# Altium PCB LVDS.PcbDoc (continued)
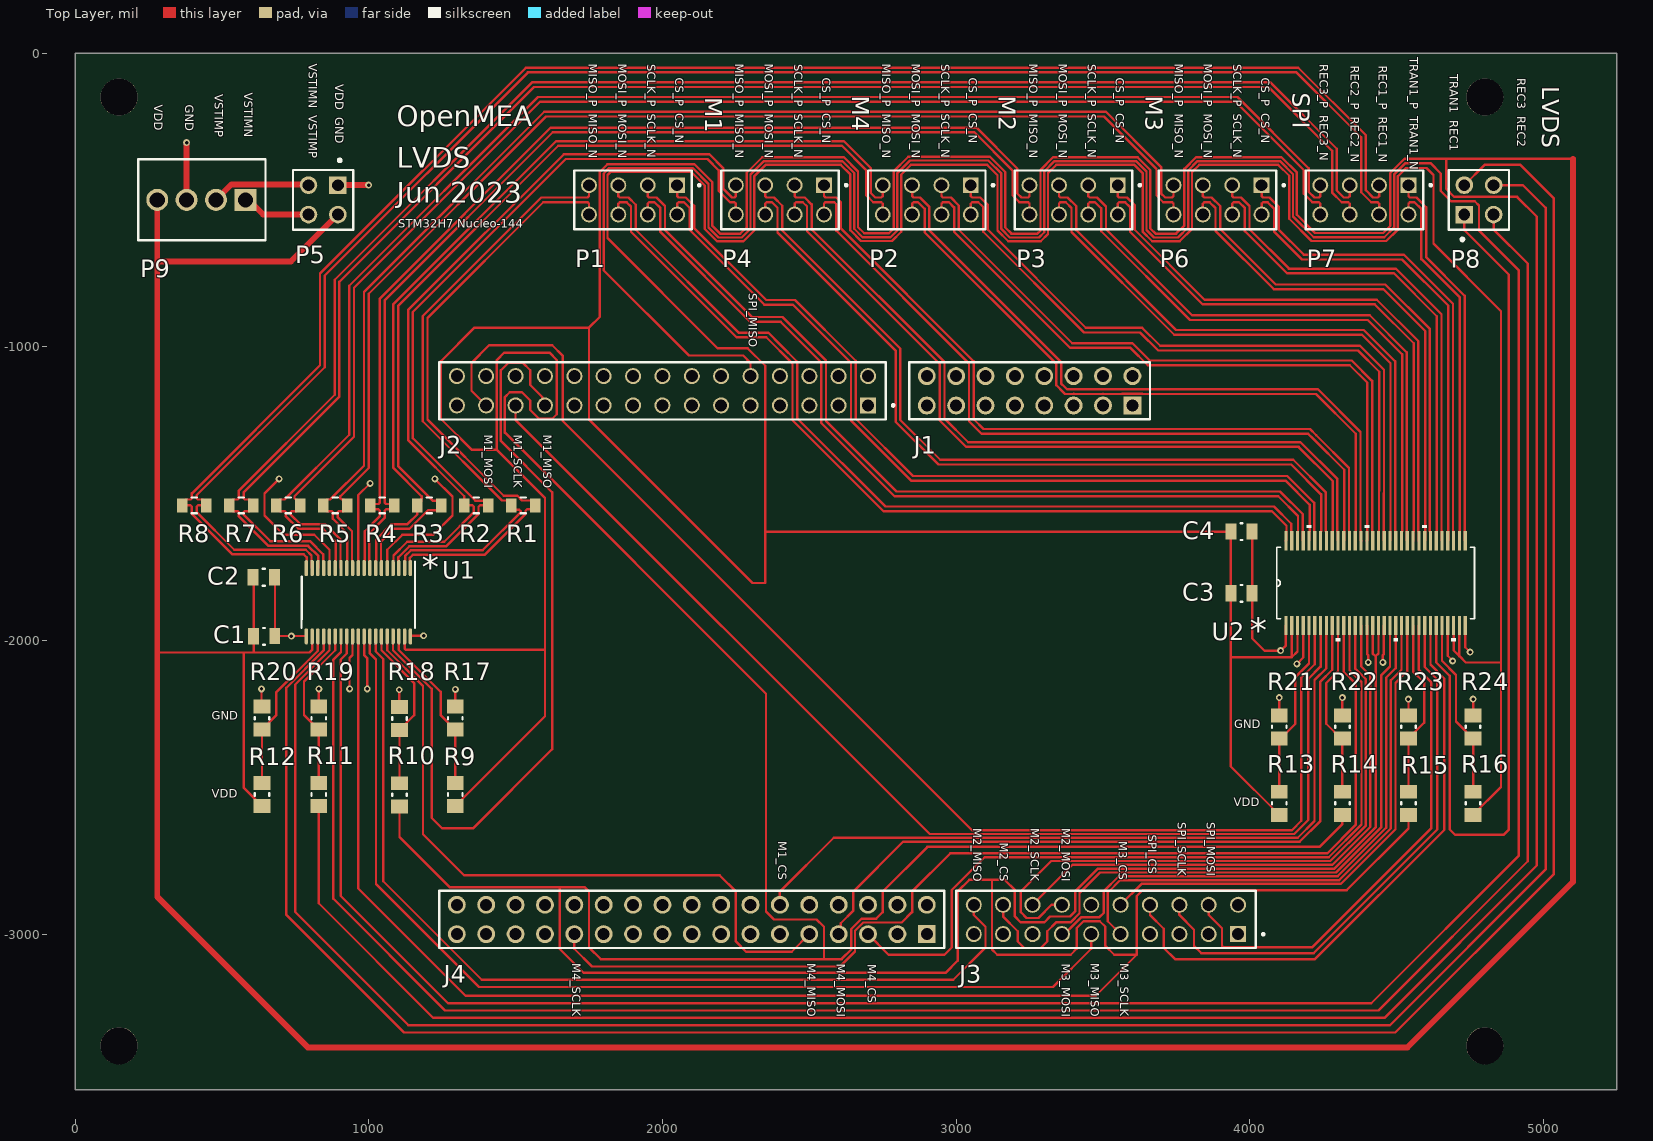
[diagram p0: Top Layer view]
## Nets (pads, with @x,y where several pads share a name; then routed paths per layer and width w, separated by ;. In a path a pad name is that pad's centre, name@x,y a point inside that pad or via, vN(x,y) a via of type N, cw(c..) or ccw(c..) an arc to the next point about the centre after c; other vN are vias at no path point)
GND: C1.2 C2.2 C3.2 C4.2 P5.1 P9.3 R17.1 R18.1 R19.1 R20.1 R21.1 R22.1 R23.1 R24.1 U1.5 U1.10 U1.15 U1.20 U1.28 U1.30 U1.38 U2.1 U2.4 U2.15 U2.18 U2.29 U2.32 | length 3943.7
  Top Layer w8: R20.1@634.67,-2225 635,-2224.67 v1(635,-2165) ; C1.2 C1.2@681.08,-1985 ; C2.2@681.08,-1785 C1.2@681.08,-1985 ; v1(695,-1450) 645,-1500 645,-1575 710,-1640 814.67,-1640 866.24,-1691.57 U1.15 ; U1.20 786.36,-1985 v1(736.67,-1985) C1.2@681.08,-1985 ; v1(830,-2165) 830,-2224.96 R19.1@830.04,-2225 ; v1(935,-2165) 934.67,-2164.67 934.67,-2060 944.98,-2049.68 U1.28 ; U1.10 964.67,-1505.33 v1(1005,-1465) ; U1.30 984.35,-2049.69 994.67,-2060 994.67,-2164.67 v1(995,-2165) ; U1.5 1063.09,-1691.57 1114.67,-1640 1220,-1640 1285,-1575 1285,-1510 v1(1225,-1450) ; v1(1104,-2168) 1104,-2225.59 R18.1 ; U1.38 1141.83,-1985.76 1143.59,-1984 v1(1186.67,-1984) ; R17.1 1295,-2224.67 v1(1295,-2167) ; C4.2 C3.2 4007.91,-1993.26 4049.65,-2035 v1(4105,-2035) 4122.79,-2017.21 U2.1 ; v1(4100,-2195) R21.1 R21.1 ; v1(4160.04,-2080) 4181.85,-2058.19 U2.4@4181.85,-1949.57 ; v1(4315,-2195) R22.1 R22.1 ; U2.15 4399.89,-1950.57 4399.89,-2047.19 4403.04,-2050.34 v1(4403.04,-2075) ; v1(4453.04,-2075) 4453.04,-2050.39 4456.24,-2047.19 4456.24,-1950.27 U2.18 ; v1(4540,-2200) R23.1 R23.1 ; U2.29@4673.98,-1949.57 4673.98,-2052.39 4690.04,-2068.45 v1(4690.04,-2070) ; U2.32@4733.03,-1949.57 4733.03,-2023.03 v1(4750,-2040) ; v1(4760,-2200) R24.1 R24.1
  Top Layer w20: P9.3 v1(380,-305) ; P5.1 v1(1000,-450)
M1_CS: J4.12 U2.8 | length 2647.2
  Top Layer w8: J4.12 2400,-2855.04 2583.04,-2672 4163.04,-2672 4220.04,-2615 4220.04,-2135 4260.59,-2094.45 U2.8
M1_CS_N: P1.1 U2.59 | length 2927.7
  Top Layer w8: P1.1 2050,-487.31 2054.69,-492 2079.63,-492 2108,-520.37 2108,-595.37 2353.63,-841 2451,-841 2658,-1048 2658,-1245 2853,-1440 4127.63,-1440 4219.38,-1531.75 4219.38,-1627.72 4219.72,-1628.07 4219.72,-1658.57 U2.59
M1_CS_P: P1.2 U2.60 | length 2901.2
  Top Layer w8: P1.2 2050,-512.69 2054.69,-508 2073,-508 2092,-527 2092,-602 2347,-857 2444.37,-857 2642,-1054.63 2642,-1251.63 2846.37,-1456 4121,-1456 4203.38,-1538.38 4203.38,-1627.72 4203.03,-1628.07 4203.03,-1658.57 U2.60
M1_MISO: J2.23 U1.35 | length 2833.9
  Top Layer w8: U1.35 1082.78,-2033.11 1214.67,-2165 1214.67,-2604.63 1250.04,-2640 1355.04,-2640 1625.04,-2370 1625.04,-1496 1450.04,-1321 1450.04,-1080 1475.04,-1055 1525.04,-1055 1550.04,-1080 1550.04,-1130 1591.06,-1171.02 1591.06,-1191.06 J2.23
M1_MISO_N: P1.7 R1.1 U1.2 | length 2094.4
  Top Layer w8: U1.2 1122.88,-1753.13 1122.88,-1728.78 1123.99,-1727.67 1123.99,-1712.31 1143.52,-1692.78 1387.85,-1692.78 1518.01,-1562.63 1518.01,-1560.98 1512,-1554.98 1498.38,-1554.98 1484.67,-1541.26 R1.1 1484.67,-1537.09 1470.95,-1523.38 1453.42,-1523.38 1184.04,-1254 1184.04,-895.46 1587.5,-492 1745.31,-492 1750,-487.31 P1.7
M1_MISO_P: P1.8 R1.2 U1.1 | length 2131.5
  Top Layer w8: U1.1 1141.1,-1753.13 1141.1,-1728.78 1139.99,-1727.67 1139.99,-1718.94 1150.15,-1708.78 1394.48,-1708.78 1534.01,-1569.25 1534.01,-1558.34 1538.69,-1553.66 1553.69,-1553.66 R1.2 1567.34,-1538.7 1553.63,-1524.99 1553.63,-1523.38 1522.11,-1523.38 1506.11,-1507.38 1460.05,-1507.38 1200.04,-1247.37 1200.04,-902.09 1594.13,-508 1745.31,-508 1750,-512.69 P1.8
M1_MOSI: J2.27 U2.6 | length 4526.8
  Top Layer w8: J2.27 1350.04,-1150.04 1350.04,-1055 1410.04,-995 1625.04,-995 1660.04,-1030 1660.04,-1252.04 3054,-2646 4143.04,-2646 4175.04,-2614 4175.04,-2127.12 4221.22,-2080.94 U2.6
M1_MOSI_N: P1.5 U2.63 | length 3011.1
  Top Layer w8: P1.5 1850,-487.31 1854.69,-492 1884.63,-492 1909,-516.37 1909,-602 2259,-952 2360,-952 2402.37,-994.37 2459,-1051 2459,-1244 2759.2,-1544.2 4081.83,-1544.2 4140.64,-1603.01 4140.64,-1627.72 4140.98,-1628.07 4140.98,-1658.57 U2.63
M1_MOSI_P: P1.6 U2.64 | length 2984.6
  Top Layer w8: P1.6 1850,-512.69 1854.69,-508 1878,-508 1893,-523 1893,-608.63 2252.37,-968 2353.37,-968 2443,-1057.63 2443,-1250.63 2743.2,-1550.83 2752.58,-1560.2 3059,-1560.2 4075.2,-1560.2 4124.64,-1609.64 4124.64,-1627.72 4124.29,-1628.07 4124.29,-1658.57 U2.64
M1_SCLK: J2.25 U2.7 | length 4031.2
  Top Layer w8: J2.25 1500,-1249 2910,-2659 4151.04,-2659 4199.04,-2611 4199.04,-2131 4240.9,-2089.14 U2.7
M1_SCLK_N: P1.3 U2.61 | length 2975.1
  Top Layer w8: P1.3 1950,-487.31 1954.69,-492 1979.63,-492 2009,-521.37 2009,-603 2305,-899 2409,-899 2557,-1047 2557,-1253 2797.03,-1493.03 4103.03,-1493.03 4180.01,-1570.01 4180.01,-1627.72 4180.35,-1628.07 4180.35,-1658.57 U2.61
M1_SCLK_P: P1.4 U2.62 | length 2948.6
  Top Layer w8: P1.4 1950,-512.69 1954.69,-508 1973,-508 1993,-528 1993,-609.63 2298.37,-915 2402.37,-915 2541,-1053.63 2541,-1259.63 2790.4,-1509.03 4096.4,-1509.03 4164.01,-1576.63 4164.01,-1627.72 4163.66,-1628.07 4163.66,-1658.57 U2.62
M2_CS: J3.18 U2.19 | length 2322.1
  Top Layer w8: J3.18 3160,-2939.96 3210.04,-2990 3210.04,-3025 3232.04,-3047 3288.04,-3047 3310.04,-3025 3310.04,-2990 3340.04,-2960 3389.04,-2960 3420.04,-2929 3420.04,-2860 3490.04,-2790 4293.42,-2790 4447.91,-2635.51 4447.91,-2118.13 4477.13,-2088.91 U2.19@4477.13,-1949.57
M2_CS_N: P2.1 U2.47 | length 2320.8
  Top Layer w8: P2.1 3050,-487.31 3054.69,-492 3082,-492 3108,-518 3108,-602 3441.44,-935.44 3633.06,-935.44 3694.63,-997 4375,-997 4456.73,-1078.73 4456.73,-1497.75 4455.6,-1498.88 4455.6,-1627.72 4455.94,-1628.07 4455.94,-1658.57 U2.47
M2_CS_P: P2.2 U2.48 | length 2294.3
  Top Layer w8: P2.2 3050,-512.69 3054.69,-508 3075.37,-508 3092,-524.63 3092,-608.63 3434.81,-951.44 3626.44,-951.44 3688,-1013 4368.37,-1013 4440.73,-1085.35 4440.73,-1491.13 4439.6,-1492.25 4439.6,-1627.72 4439.26,-1628.07 4439.26,-1658.57 U2.48
M2_MISO: J3.20 U1.32 | length 3240.7
  Top Layer w8: U1.32 1023.72,-2037.44 1049.67,-2063.38 1049.67,-2819.63 1385.04,-3155 2990.04,-3155 3100.04,-3045 3100.04,-2975 3060,-2934.96 J3.20
M2_MISO_N: P2.7 R3.1 U1.7 | length 3100.1
  Top Layer w8: U1.7 1024.45,-1753.13 1024.45,-1728.78 1025.57,-1727.67 1025.57,-1656.47 1078.04,-1604 1132.11,-1604 1165.17,-1570.94 1165.17,-1540.5 R3.1 1178.38,-1526.28 1178.38,-1517.45 1180.14,-1515.69 1180.14,-1509.06 1084.04,-1412.96 1084.04,-854.75 1638.79,-300 2617.63,-300 2709,-391.37 2709,-476.37 2724.63,-492 2745.31,-492 2750,-487.31 P2.7
M2_MISO_P: P2.8 R3.2 U1.6 | length 3142.8
  Top Layer w8: U1.6 1042.68,-1753.13 1042.68,-1728.78 1041.57,-1727.67 1041.57,-1663.1 1084.67,-1620 1138.73,-1620 1202.11,-1556.62 1233.63,-1556.62 1233.63,-1555.01 1247.34,-1541.3 R3.2 1247.34,-1538.7 1233.63,-1524.99 1218.69,-1524.99 1100.04,-1406.34 1100.04,-861.38 1645.42,-316 2611,-316 2693,-398 2693,-483 2718,-508 2745.31,-508 2750,-512.69 P2.8
M2_MOSI: J3.14 U2.13 | length 2200.4
  Top Layer w8: J3.14 3325.04,-2900 3280.04,-2945 3240.04,-2945 3220.04,-2925 3220.04,-2855 3324.04,-2751 4274.04,-2751 4395.04,-2630 4395.04,-2132 4359.02,-2095.97 U2.13@4359.02,-1949.57
M2_MOSI_N: P2.5 U2.51 | length 2357.4
  Top Layer w8: P2.5 2850,-487.31 2854.69,-492 2877,-492 2909,-524 2909,-604 3357.31,-1052.31 3357.31,-1124.8 3370.49,-1137.97 3377.52,-1145 3392.48,-1145 cw(c3400,-1200) 3407.52,-1145 3492.48,-1145 cw(c3500,-1200) 3507.52,-1145 3558.62,-1145 3559.13,-1144.49 3640.87,-1144.49 3641.38,-1145 4232,-1145 4376.86,-1289.86 4376.86,-1627.72 4377.2,-1628.07 4377.2,-1658.57 U2.51
M2_MOSI_P: P2.6 U2.52 | length 2330.9
  Top Layer w8: P2.6 2850,-512.69 2854.69,-508 2870.37,-508 2893,-530.63 2893,-610.63 3341.31,-1058.94 3341.31,-1131.42 3363.86,-1153.97 3370.89,-1161 3393.66,-1161 cw(c3400,-1200) 3406.34,-1161 3493.66,-1161 cw(c3500,-1200) 3506.34,-1161 3565.25,-1161 3565.76,-1160.49 3634.24,-1160.49 3634.75,-1161 4225.37,-1161 4360.86,-1296.49 4360.86,-1627.72 4360.52,-1628.07 4360.52,-1658.57 U2.52
M2_SCLK: J3.16 U2.14 | length 1958.7
  Top Layer w8: J3.16 3396,-2764 4281.04,-2764 4410.04,-2635 4410.04,-2119.37 4378.7,-2088.03 U2.14
M2_SCLK_N: P2.3 U2.49 | length 2357.3
  Top Layer w8: P2.3 2950,-487.31 2954.69,-492 2982,-492 3009,-519 3009,-602 3395,-988 3600,-988 3659,-1047 4347,-1047 4416.23,-1116.23 4416.23,-1627.72 4416.57,-1628.07 4416.57,-1658.57 U2.49
M2_SCLK_P: P2.4 U2.50 | length 2330.8
  Top Layer w8: P2.4 2950,-512.69 2954.69,-508 2975.37,-508 2993,-525.63 2993,-608.63 3388.37,-1004 3593.37,-1004 3652.37,-1063 4340.37,-1063 4400.23,-1122.86 4400.23,-1627.72 4399.89,-1628.07 4399.89,-1658.57 U2.50
M3_CS: J3.10 U2.22 | length 1752.3
  Top Layer w8: J3.10 3631,-2829 4309.58,-2829 4495.91,-2642.67 4495.91,-2145.13 4536.18,-2104.86 U2.22@4536.18,-1949.57
M3_CS_N: P3.1 U2.41 | length 1994.1
  Top Layer w8: P3.1 3550,-487.31 3554.69,-492 3582,-492 3608,-518 3608,-602 3846,-840 4432,-840 4573.71,-981.71 4573.71,-1627.72 4574.05,-1628.07 4574.05,-1658.57 U2.41
M3_CS_P: P3.2 U2.42 | length 1967.6
  Top Layer w8: P3.2 3550,-512.69 3554.69,-508 3575.37,-508 3592,-524.63 3592,-608.63 3839.37,-856 4425.37,-856 4557.71,-988.34 4557.71,-1627.72 4557.37,-1628.07 4557.37,-1658.57 U2.42
M3_MISO: J3.11 U1.31 | length 3536.4
  Top Layer w8: U1.31 1004.04,-2044.37 1024.67,-2065 1024.67,-2829.63 1375.04,-3180 3330.04,-3180 3460,-3050.04 J3.11
M3_MISO_N: P3.7 R4.1 U1.9 | length 3631.4
  Top Layer w8: U1.9 985.08,-1753.13 985.08,-1728.78 986.19,-1727.67 986.19,-1628.47 1038.01,-1576.66 1038.01,-1558.4 1033.32,-1553.72 1018.38,-1553.72 R4.1 1009.35,-1535.31 1033.32,-1535.31 1038.01,-1530.63 1038.01,-835.69 1619.73,-253.97 3068.97,-253.97 3208,-393 3208,-478 3222,-492 3245.31,-492 3250,-487.31 P3.7
M3_MISO_P: P3.8 R4.2 U1.8 | length 3604.9
  Top Layer w8: U1.8 1003.31,-1753.13 1003.31,-1728.78 1002.19,-1727.67 1002.19,-1635.1 1054.01,-1583.29 1054.01,-1558.4 1058.69,-1553.72 1073.63,-1553.72 R4.2 1082.66,-1535.31 1058.69,-1535.31 1054.01,-1530.63 1054.01,-842.31 1626.35,-269.97 3062.34,-269.97 3192,-399.63 3192,-484.63 3215.37,-508 3245.31,-508 3250,-512.69 P3.8
M3_MOSI: J3.13 U2.20 | length 1997.7
  Top Layer w8: J3.13 3369.04,-3000 3427.04,-2942 3488.04,-2942 3503.04,-2927 3503.04,-2853.62 3553.65,-2803 4298.81,-2803 4463.91,-2637.9 4463.91,-2127.13 4496.81,-2094.23 U2.20@4496.81,-1950.67
M3_MOSI_N: P3.5 U2.45 | length 2074
  Top Layer w8: P3.5 3350,-487.31 3354.69,-492 3379.63,-492 3409,-521.37 3409,-603 3749,-943 4388,-943 4494.97,-1049.97 4494.97,-1627.72 4495.31,-1628.07 4495.31,-1658.57 U2.45
M3_MOSI_P: P3.6 U2.46 | length 2047.5
  Top Layer w8: P3.6 3350,-512.69 3354.69,-508 3373,-508 3393,-528 3393,-609.63 3742.37,-959 4381.37,-959 4478.97,-1056.6 4478.97,-1627.72 4478.63,-1628.07 4478.63,-1658.57 U2.46
M3_SCLK: J3.9 U2.21 | length 1920
  Top Layer w8: J3.9 3516.04,-2956.04 3516.04,-2859 3559.04,-2816 4304.19,-2816 4479.91,-2640.28 4479.91,-2136.13 4516.5,-2099.54 U2.21
M3_SCLK_N: P3.3 U2.43 | length 2029
  Top Layer w8: P3.3 3450,-487.31 3454.69,-492 3479.63,-492 3510,-522.37 3510,-600 3803,-893 4408,-893 4534.34,-1019.34 4534.34,-1627.72 4534.68,-1628.07 4534.68,-1658.57 U2.43
M3_SCLK_P: P3.4 U2.44 | length 2002.5
  Top Layer w8: P3.4 3450,-512.69 3454.69,-508 3473,-508 3494,-529 3494,-606.63 3796.37,-909 4401.37,-909 4518.34,-1025.97 4518.34,-1627.72 4518,-1628.07 4518,-1658.57 U2.44
M4_CS: J4.5 U2.12 | length 2700.8
  Top Layer w8: J4.5 2770,-3070 2960.04,-3070 2985.04,-3045 2985.04,-2850 3097.04,-2738 4268.65,-2738 4380.04,-2626.62 4380.04,-2142 4339.33,-2101.29 U2.12@4339.33,-1949.57
M4_CS_N: P4.1 U2.53 | length 2624.5
  Top Layer w8: P4.1 2550,-487.31 2554.69,-492 2592,-492 2608,-508 2608,-598 3060,-1050 3060,-1247 3093,-1280 4205,-1280 4226.26,-1301.26 4337.49,-1412.49 4337.49,-1627.72 4337.83,-1628.07 4337.83,-1658.57 U2.53
M4_CS_P: P4.2 U2.54 | length 2598
  Top Layer w8: P4.2 2550,-512.69 2554.69,-508 2585.37,-508 2592,-514.63 2592,-604.63 3044,-1056.63 3044,-1253.63 3086.37,-1296 4198.37,-1296 4214.95,-1312.58 4321.49,-1419.11 4321.49,-1627.72 4321.15,-1628.07 4321.15,-1658.57 U2.54
M4_MISO: J4.9 U1.34 | length 2329.5
  Top Layer w8: U1.34 1063.09,-2033.43 1184.67,-2155 1184.67,-2659.63 1325.04,-2800 2195.04,-2800 2250.04,-2855 2250.04,-3025 2285.04,-3060 2440,-3060 J4.9
M4_MISO_N: P4.7 R2.1 U1.4 | length 2652.7
  Top Layer w8: U1.4 1083.51,-1753.13 1083.51,-1728.78 1084.62,-1727.67 1084.62,-1710.67 1131.51,-1663.78 1256.85,-1663.78 1358.01,-1562.63 1358.01,-1544.69 1353.32,-1540 R2.1 1325.17,-1539.5 1325.17,-1509.06 1134.04,-1317.93 1134.04,-875.46 1664.5,-345 2160,-345 2208,-393 2208,-463.11 2236.89,-492 2245.31,-492 2250,-487.31 P4.7
M4_MISO_P: P4.8 R2.2 U1.3 | length 2671.5
  Top Layer w8: U1.3 1101.73,-1753.13 1101.73,-1728.78 1100.62,-1727.67 1100.62,-1717.3 1138.14,-1679.78 1263.48,-1679.78 1374.01,-1569.25 1374.01,-1544.69 1378.69,-1540 R2.2 1407.34,-1538.7 1393.63,-1524.99 1393.63,-1524 1362.73,-1524 1150.04,-1311.31 1150.04,-882.09 1671.13,-361 2153.37,-361 2192,-399.63 2192,-469.74 2230.26,-508 2245.31,-508 2250,-512.69 P4.8
M4_MOSI: J4.7 U2.9 | length 2537.7
  Top Layer w8: J4.7 2607.08,-2992.92 2607.08,-2962.96 2650.04,-2920 2650.04,-2855 2820.04,-2685 4170.04,-2685 4240.04,-2615 4240.04,-2140 4280.27,-2099.77 U2.9
M4_MOSI_N: P4.5 U2.57 | length 2720
  Top Layer w8: P4.5 2350,-487.31 2354.69,-492 2379.63,-492 2408,-520.37 2408,-604 2810,-1006 2810,-1249 2946.1,-1385.1 4147.73,-1385.1 4258.75,-1496.12 4258.75,-1627.72 4259.09,-1628.07 4259.09,-1658.57 U2.57
M4_MOSI_P: P4.6 U2.58 | length 2693.5
  Top Layer w8: P4.6 2350,-512.69 2354.69,-508 2373,-508 2392,-527 2392,-610.63 2794,-1012.63 2794,-1255.63 2939.48,-1401.1 4141.1,-1401.1 4242.75,-1502.75 4242.75,-1627.72 4242.4,-1628.07 4242.4,-1658.57 U2.58
M4_SCLK: J4.25 U2.11 | length 3712.4
  Top Layer w8: J4.25 1700,-3049.96 1760.04,-3110 2605.04,-3110 2655.89,-3059.15 2655.89,-2988.23 2683.63,-2960.49 2814.55,-2960.49 2850.04,-2925 2850.04,-2855 2980.04,-2725 4263.27,-2725 4360.04,-2628.23 4360.04,-2147 4319.65,-2106.61 U2.11@4319.65,-1949.57
M4_SCLK_N: P4.3 U2.55 | length 2656.8
  Top Layer w8: P4.3 2450,-487.31 2454.69,-492 2484.63,-492 2508,-515.37 2508,-600 2960.49,-1052.49 2960.49,-1244.49 3041,-1325 4172.63,-1325 4298.12,-1450.49 4298.12,-1627.72 4298.46,-1628.07 4298.46,-1658.57 U2.55
M4_SCLK_P: P4.4 U2.56 | length 2630.3
  Top Layer w8: P4.4 2450,-512.69 2454.69,-508 2478,-508 2492,-522 2492,-606.63 2944.49,-1059.12 2944.49,-1251.12 3034.37,-1341 4166,-1341 4282.12,-1457.12 4282.12,-1627.72 4281.77,-1628.07 4281.77,-1658.57 U2.56
REC_1: P8.2 U1.23 | length 8386.7
  Top Layer w8: U1.23 846.56,-2033.99 719.67,-2160.88 719.67,-2934.63 1120.04,-3335 4495,-3335 5035,-2795 5035,-495 4921,-381 4799,-381 P8.2
REC_1_N: P7.3 R8.1 U1.19 | length 5770.3
  Top Layer w8: U1.19 788.23,-1753.13 788.23,-1728.78 789.34,-1727.67 789.34,-1717.3 779.03,-1706.98 535.73,-1706.98 398.01,-1569.25 398.01,-1544.69 393.32,-1540 R8.1 364.67,-1534.09 378.38,-1520.38 393.32,-1520.38 398.01,-1515.69 398.01,-1499.41 834.04,-1063.37 834.04,-751.2 1535.24,-50 4165,-50 4395,-280 4395,-467.37 4419.63,-492 4435.31,-492 4440,-487.31 P7.3
REC_1_P: P7.4 R8.2 U1.18 | length 5743.8
  Top Layer w8: U1.18 806.46,-1753.13 806.46,-1728.78 805.34,-1727.67 805.34,-1710.67 785.65,-1690.98 542.36,-1690.98 414.01,-1562.63 414.01,-1544.69 418.69,-1540 R8.2 447.34,-1534.09 433.63,-1520.38 418.69,-1520.38 414.01,-1515.69 414.01,-1506.03 850.04,-1070 850.04,-757.83 1541.87,-66 4158.37,-66 4379,-286.63 4379,-474 4413,-508 4435.31,-508 4440,-512.69 P7.4
REC_2: P8.4 U1.24 | length 8085.2
  Top Layer w8: U1.24 866.24,-2033.43 749.67,-2150 749.67,-2924.63 1135.04,-3310 4477,-3310 5007,-2780 5007,-527 4930,-450 P8.4
REC_2_N: P7.5 R7.1 U1.17 | length 5373.6
  Top Layer w8: U1.17 827.6,-1753.13 827.6,-1728.78 828.71,-1727.67 828.71,-1712.97 793.73,-1677.98 658.42,-1677.98 558.01,-1577.56 558.01,-1564.31 553.32,-1559.62 538.38,-1559.62 524.67,-1545.91 R7.1 524.67,-1534.09 538.38,-1520.38 553.32,-1520.38 558.01,-1515.69 558.01,-1489.41 884.04,-1163.37 884.04,-771.91 1555.95,-100 4070,-100 4296,-326 4296,-468.37 4319.63,-492 4335.31,-492 4340,-487.31 P7.5
REC_2_P: P7.6 R7.2 U1.16 | length 5347.1
  Top Layer w8: U1.16 845.83,-1753.13 845.83,-1728.78 844.71,-1727.67 844.71,-1706.34 800.36,-1661.98 665.05,-1661.98 574.01,-1570.94 574.01,-1564.31 578.69,-1559.62 593.63,-1559.62 607.34,-1545.91 R7.2 607.34,-1534.09 593.63,-1520.38 578.69,-1520.38 574.01,-1515.69 574.01,-1496.03 900.04,-1170 900.04,-778.54 1562.58,-116 4063.37,-116 4280,-332.63 4280,-475 4313,-508 4335.31,-508 4340,-512.69 P7.6
REC_3: P8.3 U1.26 | length 7588.6
  Top Layer w8: U1.26 905.61,-2039.06 879.67,-2065 879.67,-2879.63 1260.04,-3260 4438,-3260 4946,-2752 4946,-717 4830,-601 P8.3
REC_3_N: P7.7 R6.1 U1.14 | length 5016.2
  Top Layer w8: U1.14 886.66,-1753.13 886.66,-1728.78 887.77,-1727.67 887.77,-1663.1 844.67,-1620 760.44,-1620 718.01,-1577.56 718.01,-1564.31 713.32,-1559.62 698.38,-1559.62 684.67,-1545.91 R6.1 684.67,-1534.09 698.38,-1520.38 713.32,-1520.38 934.04,-1299.66 934.04,-792.62 1576.66,-150 3957.63,-150 4200,-392.37 4200,-472.37 4219.63,-492 4235.31,-492 4240,-487.31 P7.7
REC_3_P: P7.8 R6.2 U1.13 | length 4970.9
  Top Layer w8: U1.13 904.88,-1753.13 904.88,-1728.78 903.77,-1727.67 903.77,-1656.47 851.29,-1604 767.07,-1604 734.01,-1570.94 734.01,-1564.31 738.69,-1559.62 753.63,-1559.62 767.34,-1545.91 R6.2 767.34,-1534.09 753.63,-1520.38 751.95,-1520.38 747.26,-1515.69 747.26,-1509.06 950.04,-1306.28 950.04,-799.25 1583.29,-166 3951,-166 4184,-399 4184,-479 4213,-508 4235.31,-508 4240,-512.69 P7.8
SN65_ENA: R9.1 R17.2 U1.36 | length 578.5
  Top Layer w8: U1.36 1102.46,-2032.8 1244.67,-2175 1244.67,-2253.74 R17.2 R9.1
SN65_ENB: R10.1 R18.2 U1.33 | length 566.9
  Top Layer w8: U1.33 1043.41,-2033.74 1154.67,-2145 1154.67,-2255 R18.2 R10.1
SN65_ENC: R11.1 R19.2 U1.25 | length 563.6
  Top Layer w8: R11.1 R19.2 779.67,-2253.74 779.67,-2140 885.93,-2033.74 U1.25
SN65_END: R12.1 R20.2 U1.22 | length 577.7
  Top Layer w8: R12.1 R20.2 684.67,-2255.68 684.67,-2177.22 826.87,-2035.01 U1.22
SN75_ENA: R13.1 R21.2 U2.5 | length 610.9
  Top Layer w8: R13.1 R21.2 4104.96,-2333.74 4155.04,-2283.66 4155.04,-2125 4201.53,-2078.51 U2.5
SN75_ENB: R14.1 R22.2 U2.10 | length 607.6
  Top Layer w8: U2.10@4299.96,-1949.57 4299.96,-2105.08 4260.04,-2145 4260.04,-2283.66 4310.12,-2333.74 R22.2 R14.1
SN75_ENC: R15.1 R23.2 U2.23 | length 603.6
  Top Layer w8: R15.1 R23.2 4594.04,-2279.74 4594.04,-2144 4555.87,-2105.83 U2.23@4555.87,-1949.57
SN75_END: R16.1 R24.2 U2.28 | length 609.2
  Top Layer w8: U2.28@4654.29,-1949.57 4654.29,-2069.51 4702.04,-2117.25 4702.04,-2275.74 R24.2 R16.1
SPI_CS: J3.8 U2.26 | length 2034.4
  Top Layer w8: J3.8 3660,-2934.96 3706.94,-2981.9 3706.94,-3046.9 3745.04,-3085 4222,-3085 4662.04,-2644.96 4662.04,-2129.37 4614.92,-2082.25 U2.26@4614.92,-1949.57
SPI_CS_N: P6.1 U2.35 | length 1693.7
  Top Layer w8: P6.1 4040,-487.31 4044.69,-492 4067,-492 4098,-523 4098,-601 4184,-687 4525.04,-687 4691.82,-853.78 4691.82,-1627.72 4692.16,-1628.07 4692.16,-1658.57 U2.35
SPI_CS_P: P6.2 U2.36 | length 1667.2
  Top Layer w8: P6.2 4040,-512.69 4044.69,-508 4060.37,-508 4082,-529.63 4082,-607.63 4177.37,-703 4518.41,-703 4675.82,-860.41 4675.82,-1627.72 4675.48,-1628.07 4675.48,-1658.57 U2.36
SPI_MISO: J2.10 U1.27 | length 13756.9
  Top Layer w8: U1.27 925.3,-2044.37 904.67,-2065 904.67,-2869.63 1270.04,-3235 4413,-3235 4916,-2732 4916,-740 4780,-604 4780,-519 4766,-505 4685,-505 4650,-470 4650,-410 4615,-375 4529.95,-375 4491.03,-413.92 4491.03,-593.97 4457.69,-627.31 4217.31,-627.31 4147,-557 4147,-412.62 4102.38,-368 3822,-368 3790,-400 3790,-593.38 3755.38,-628 3673.38,-628 3648,-602.62 3648,-403.62 3612.38,-368 3335.38,-368 3300,-403.38 3300,-610.39 3282.39,-628 3182.62,-628 3154,-599.38 3154,-410.62 3109.38,-366 2842.38,-366 2800,-408.38 2800,-603.38 2776.38,-627 2681.62,-627 2653,-598.38 2653,-408.62 2612.38,-368 2345.38,-368 2300,-413.38 2300,-598.38 2270.38,-628 2191,-628 2157,-594 2157,-445.62 2103.38,-392 1818,-392 1800,-410 1800,-740 2090,-1030 2275,-1030 2300,-1055 J2.10
SPI_MISO_N: P6.7 R5.1 U1.12 | length 4270.9
  Top Layer w8: U1.12 926.03,-1753.13 926.03,-1728.78 927.14,-1727.67 927.14,-1635.1 878.01,-1585.97 878.01,-1564.31 873.32,-1559.62 858.38,-1559.62 844.67,-1545.91 R5.1 844.67,-1534.09 858.38,-1520.38 868.66,-1520.38 984.04,-1405 984.04,-813.33 1597.37,-200 3510,-200 3698,-388 3698,-478 3712,-492 3735.31,-492 3740,-487.31 P6.7
SPI_MISO_P: P6.8 R5.2 U1.11 | length 4233.5
  Top Layer w8: U1.11 944.25,-1753.13 944.25,-1728.78 943.14,-1727.67 943.14,-1628.47 894.01,-1579.34 894.01,-1564.31 898.69,-1559.62 913.63,-1559.62 927.34,-1545.91 927.34,-1534.09 913.63,-1520.38 908.29,-1520.38 903.6,-1515.69 903.6,-1509.06 1000.04,-1412.63 1000.04,-819.96 1604,-216 3503.37,-216 3682,-394.63 3682,-484.63 3705.37,-508 3735.31,-508 3740,-512.69 P6.8
SPI_MOSI: J3.4 U2.24 | length 1748.3
  Top Layer w8: J3.4 3860,-2934.96 3905.04,-2980 3905.04,-3040.31 3909.73,-3045 4212,-3045 4617.04,-2639.96 4617.04,-2142 4575.55,-2100.51 U2.24@4575.55,-1949.57
SPI_MOSI_N: P6.5 U2.39 | length 1764.2
  Top Layer w8: P6.5 3840,-487.31 3844.69,-492 3869.63,-492 3899,-521.37 3899,-599 4088,-788 4461.04,-788 4613.08,-940.04 4613.08,-1627.72 4613.42,-1628.07 4613.42,-1658.57 U2.39
SPI_MOSI_P: P6.6 U2.40 | length 1737.7
  Top Layer w8: P6.6 3840,-512.69 3844.69,-508 3863,-508 3883,-528 3883,-605.63 4081.37,-804 4454.41,-804 4597.08,-946.67 4597.08,-1627.72 4596.74,-1628.07 4596.74,-1658.57 U2.40
SPI_SCLK: J3.6 U2.25 | length 1886.1
  Top Layer w8: J3.6 3760,-2934.96 3810.04,-2985 3810.04,-3040 3835.04,-3065 4217,-3065 4638.04,-2643.96 4638.04,-2133 4595.24,-2090.2 U2.25
SPI_SCLK_N: P6.3 U2.37 | length 1733.8
  Top Layer w8: P6.3 3940,-487.31 3944.69,-492 3969.63,-492 3999,-521.37 3999,-600 4133,-734 4497.04,-734 4652.45,-889.41 4652.45,-1627.72 4652.79,-1628.07 4652.79,-1658.57 U2.37
SPI_SCLK_P: P6.4 U2.38 | length 1707.3
  Top Layer w8: P6.4 3940,-512.69 3944.69,-508 3963,-508 3983,-528 3983,-606.63 4126.37,-750 4490.41,-750 4636.45,-896.04 4636.45,-1627.72 4636.11,-1628.07 4636.11,-1658.57 U2.38
TRAN_1: P8.1 U2.27 | length 3086.5
  Top Layer w8: U2.27@4634.61,-1949.57 4634.61,-2074.82 4680.04,-2120.25 4680.04,-2643.04 4699,-2662 4864,-2662 4882,-2644 4882,-755 4730,-603 P8.1
TRAN_1_N: P7.1 U2.33 | length 1303.1
  Top Layer w8: P7.1 4540,-487.31 4544.69,-492 4567,-492 4600,-525 4600,-695 4731.19,-826.19 4731.19,-1627.72 4731.53,-1628.07 4731.53,-1658.57 U2.33
TRAN_1_P: P7.2 U2.34 | length 1276.6
  Top Layer w8: P7.2 4540,-512.69 4544.69,-508 4560.37,-508 4584,-531.63 4584,-701.63 4715.19,-832.82 4715.19,-1627.72 4714.85,-1628.07 4714.85,-1658.57 U2.34
VDD: C1.1 C2.1 C3.1 C4.1 P5.2 P9.4 R9.2 R10.2 R11.2 R12.2 R13.2 R14.2 R15.2 R16.2 U1.21 U1.29 U1.37 U2.2 U2.3 U2.16 U2.17 U2.30 U2.31 | length 59681.7
  Top Layer w8: 280.04,-2041 575.04,-2041 ; C2.1@608.25,-1785 608.25,-2041 ; R12.2 575.04,-2502.19 575.04,-2041 ; U1.21 807.19,-2032.48 798.67,-2041 608.25,-2041 ; R11.2 829.67,-2894.63 1220.04,-3285 4458,-3285 4977,-2766 4977,-557 4910,-490 4696,-490 4669,-463 4669,-360 ; U1.29 964.67,-2844.63 1330.04,-3210 3475.04,-3210 3615.04,-3070 ; R10.2 1104.67,-2669.63 1275.04,-2840 1650.04,-2840 ; U1.37 1122.15,-2027.56 1126.83,-2032.25 1599.04,-2032.25 ; R9.2 1600.04,-2258.37 1600.04,-1515 1436.36,-1351.32 ; 3121.95,-2815 3121.95,-3051.91 3140.04,-3070 3390.04,-3070 3410.04,-3050 3410.04,-2980 3434.04,-2956 3489.04,-2956 3508.04,-2975 3508.04,-3040 3538.04,-3070 3615.04,-3070 ; R13.2 3935.08,-2428.78 3935.08,-2057.56 ; U2.2 4142.48,-2057.56 ; U2.3@4162.16,-1949.57 4162.16,-2037.88 4142.48,-2057.56 ; R14.2 4315.04,-2625 4237.04,-2703 2902.04,-2703 2750.04,-2855 2750.04,-2925 2727.55,-2947.49 2678.25,-2947.49 2642.89,-2982.85 2642.89,-3052.15 2610.04,-3085 2550.04,-3085 ; U2.16@4418.07,-1949.57 4418.07,-2044.03 4428.04,-2054 ; U2.17@4437.76,-1949.57 4437.76,-2044.28 4428.04,-2054 ; R15.2 4540.04,-2640 4330.04,-2850 3635.04,-2850 3615.04,-2870 3615.04,-3070 ; U2.30@4693.66,-1949.57 4693.66,-2033.62 4713.35,-2053.31 ; U2.31@4713.35,-1949.57 4713.35,-2053.31 ; R16.2 4855.04,-2498.74 4855.04,-2075 ; 5100,-360 4669,-360 ; 575.04,-2041 608.25,-2041 ; 1436.36,-1351.32 1351.36,-1351.32 1245.04,-1245 1245.04,-1050 1360.04,-935 1750,-935 ; 1436.36,-1351.32 1436.36,-1045.29 1461.66,-1020 1615.04,-1020 1640.04,-1045 1640.04,-1230 1625.04,-1245 1580.04,-1245 1550.04,-1215 1550.04,-1183.32 1521.72,-1155 1480.04,-1155 1463.64,-1171.4 1463.64,-1292.55 2352.51,-2181.42 2352.51,-2922.47 2380.04,-2950 2525.04,-2950 2550.04,-2975 2550.04,-3085 ; 1650.04,-2840 1650.04,-3050 1732.04,-3132 2963.67,-3132 3005.04,-3090.63 3005.04,-2855 3045.04,-2815 3165.04,-2815 3200.04,-2850 3200.04,-2940 3220.04,-2960 3300.04,-2960 3320.04,-2940 3388.04,-2940 3405.04,-2923 3405.04,-2855 3483.04,-2777 4288.04,-2777 4428.04,-2637 4428.04,-2054 ; 1650.04,-2840 1735.04,-2840 1750.04,-2855 1750.04,-3045 1790.04,-3085 2550.04,-3085 ; 1750,-935 1750,-1248 2306.57,-1804.57 2350,-1804.57 2350,-1629.57 ; 1750,-935 1787,-898 1787,-404.62 1812.62,-379 2108.77,-379 2170,-440.23 2170,-588.62 2196.38,-615 2265,-615 2287,-593 2287,-408 2340,-355 2617.77,-355 2666,-403.23 2666,-593 2687,-614 2771,-614 2787,-598 2787,-403 2837,-353 3114.77,-353 3167,-405.23 3167,-594 3188,-615 3277.01,-615 3287,-605.01 3287,-398 3330,-355 3617.77,-355 3661,-398.23 3661,-597.23 3678.77,-615 3748.91,-615 3777,-586.91 3777,-394.62 3816.62,-355 4107.77,-355 4160,-407.23 4160,-550.87 4221.85,-612.72 4453.9,-612.72 4478.03,-588.58 4478.03,-408.53 4526.57,-360 4669,-360 ; 2350,-1629.57 C4.1 C3.1 3935.08,-2057.56 ; 2350,-1629.57 2350,-1065 2290,-1005 2188,-1005 1813,-630 1813,-415.38 1823.38,-405 2098,-405 2144,-451 2144,-599.38 2185.62,-641 2275.77,-641 2313,-603.77 2313,-418.77 2350.77,-381 2607,-381 2640,-414 2640,-603.77 2676.23,-640 2781.77,-640 2813,-608.77 2813,-413.77 2845.77,-381 3106,-381 3141,-416 3141,-604.77 3177.23,-641 3287.78,-641 3313,-615.78 3313,-408.77 3340.77,-381 3607,-381 3635,-409 3635,-608 3668,-641 3760.77,-641 3803,-598.77 3803,-405.38 3827.38,-381 4097,-381 4134,-418 4134,-564 4210.31,-640.31 4464.69,-640.31 4504.03,-600.97 4504.03,-419.3 4532.02,-391.31 4601.31,-391.31 4625,-415 4625,-649 4855.04,-879.04 4855.04,-2075 ; 3935.08,-2057.56 4142.48,-2057.56 ; 4713.35,-2053.31 4735.04,-2075 4855.04,-2075
  Top Layer w20: P9.4 280.04,-709.37 ; P5.2 735.63,-709.37 280.04,-709.37 ; 5100,-360 5100,-2822 4536.51,-3385.49 792.49,-3385.49 280.04,-2873.04 280.04,-2041 280.04,-709.37
VSTIM+: P5.3 P9.2 | length 337.7
  Top Layer w20: P9.2 532.4,-447.6 792.6,-447.6 P5.3
VSTIM-: P5.4 P9.1 | length 235.7
  Top Layer w20: P9.1 590.57,-500 640.57,-550 P5.4
pads on no net: J1.1 J1.2 J1.3 J1.4 J1.5 J1.6 J1.7 J1.8 J1.9 J1.10 J1.11 J1.12 J1.13 J1.14 J1.15 J1.16 J2.1 J2.2 J2.3 J2.4 J2.5 J2.6 J2.7 J2.8 J2.9 J2.11 J2.12 J2.13 J2.14 J2.15 J2.16 J2.17 J2.18 J2.19 J2.20 J2.21 J2.22 J2.24 J2.26 J2.28 J2.29 J2.30 J3.1 J3.2 J3.3 J3.5 J3.7 J3.12 J3.15 J3.17 J3.19 J4.1 J4.2 J4.3 J4.4 J4.6 J4.8 J4.10 J4.11 J4.13 J4.14 J4.15 J4.16 J4.17 J4.18 J4.19 J4.20 J4.21 J4.22 J4.23 J4.24 J4.26 J4.27 J4.28 J4.29 J4.30 J4.31 J4.32 J4.33 J4.34

## Polygon pours and split planes (outlines as drawn)
GND on Bottom Layer "GND_L02_P000" (solid, pour order 0): 0,0 0,-3530 5250,-3530 5250,0

## Silkscreen, mask and mechanical layers (free items; w line width, h text height)
Top Overlay:
  lines w7: 1157.58,-1957.42 1157.58,-1929.06
  lines w8: 771.25,-1957 771.25,-1929.06 ; 772,-1813.95 772,-1783
  text "TRAN1_P  TRAN1_N" at 4533.55,-14.35 h50 r270
  text "VSTIMN  VSTIMP" at 785.37,-37.24 h50 r270
  text "MISO_P  MISO_N" at 1738.55,-37.38 h50 r270
  text "MOSI_P  MOSI_N" at 1838.55,-37.38 h50 r270
  text "MISO_P  MISO_N" at 2238.55,-37.38 h50 r270
  text "MOSI_P  MOSI_N" at 2338.55,-37.38 h50 r270
  text "MISO_P  MISO_N" at 2738.55,-37.38 h50 r270
  text "MOSI_P  MOSI_N" at 2838.55,-37.38 h50 r270
  text "MISO_P  MISO_N" at 3238.55,-37.38 h50 r270
  text "MOSI_P  MOSI_N" at 3338.55,-37.38 h50 r270
  text "MISO_P  MISO_N" at 3733.55,-37.38 h50 r270
  text "MOSI_P  MOSI_N" at 3833.55,-37.38 h50 r270
  text "SCLK_P  SCLK_N" at 1938.55,-37.95 h50 r270
  text "SCLK_P  SCLK_N" at 2438.55,-37.95 h50 r270
  text "SCLK_P  SCLK_N" at 2938.55,-37.95 h50 r270
  text "SCLK_P  SCLK_N" at 3438.55,-37.95 h50 r270
  text "SCLK_P  SCLK_N" at 3933.55,-37.95 h50 r270
  text "REC3_P  REC3_N" at 4228.55,-38.28 h50 r270
  text "REC2_P  REC2_N" at 4333.55,-43.28 h50 r270
  text "REC1_P  REC1_N" at 4428.55,-43.28 h50 r270
  text "TRAN1  REC1" at 4670.37,-73.09 h50 r270
  text "CS_P  CS_N" at 2033.55,-84.64 h50 r270
  text "CS_P  CS_N" at 2533.55,-84.64 h50 r270
  text "CS_P  CS_N" at 3033.55,-84.64 h50 r270
  text "CS_P  CS_N" at 3533.55,-84.64 h50 r270
  text "CS_P  CS_N" at 4028.55,-84.64 h50 r270
  text "REC3  REC2" at 4900.42,-85.38 h50 r270
  text "VDD  GND" at 875.37,-107.11 h50 r270
  text "LVDS" at 4975.93,-112.49 h100 r270
  text "SPI" at 4125.93,-134.83 h100 r270
  text "VSTIMN" at 565.37,-136 h50 r270
  text "VSTIMP" at 465.37,-140.93 h50 r270
  text "M4" at 2625,-144.86 h100 r270
  text "M2" at 3125,-146.29 h100 r270
  text "M3" at 3625.83,-146.2 h100 r270
  text "M1" at 2125,-151.15 h100 r270
  text "VDD" at 260,-175.67 h50 r270
  text "GND" at 365.37,-176.32 h50 r270
  text "OpenMEA" at 1095,-273.67 h120
  text "LVDS" at 1095,-413.67 h120
  text "Jun 2023" at 1094.78,-533.67 h120
  text "STM32H7 Nucleo-144" at 1100.9,-604.63 h50
  text "SPI_MISO" at 2283.55,-818.04 h50 r270
  text "M1_SCLK" at 1483.55,-1299.36 h50 r270
  text "M1_MISO" at 1583.55,-1299.1 h50 r270
  text "M1_MOSI" at 1383.55,-1300.3 h50 r270
  text "*" at 1180.02,-1820.26 h150
  text "*" at 4000.02,-2035.26 h150
  text "GND" at 466.32,-2279.63 h50
  text "GND" at 3946.32,-2309.63 h50
  text "VDD" at 465.67,-2545 h50
  text "VDD" at 3945.67,-2575 h50
  text "SPI_SCLK" at 3743.55,-2618.29 h50 r270
  text "SPI_MOSI" at 3843.55,-2619.24 h50 r270
  text "M2_MISO" at 3048.55,-2639.1 h50 r270
  text "M2_SCLK" at 3243.55,-2639.36 h50 r270
  text "M2_MOSI" at 3348.55,-2640.3 h50 r270
  text "SPI_CS" at 3643.55,-2662.22 h50 r270
  text "M1_CS" at 2383.55,-2683.29 h50 r270
  text "M3_CS" at 3543.55,-2683.29 h50 r270
  text "M2_CS" at 3138.55,-2688.29 h50 r270
  text "M4_SCLK" at 1683.55,-3099.36 h50 r270
  text "M4_MISO" at 2483.55,-3099.1 h50 r270
  text "M3_MISO" at 3448.55,-3099.1 h50 r270
  text "M3_SCLK" at 3548.55,-3099.36 h50 r270
  text "M4_MOSI" at 2583.55,-3100.31 h50 r270
  text "M3_MOSI" at 3348.55,-3100.31 h50 r270
  text "M4_CS" at 2688.55,-3103.29 h50 r270
Mechanical 2:
  lines w10: 0,-3310 0,-2640 ; 5,-960 1299.96,-960 ; 100,-2860 1210,-2860 ; 1299.96,-3410 1299.96,-2590 ; 1299.96,-2025 1299.96,-1190 ; 2899.96,-3150 2899.96,-2470 ; 2899.96,-1870.04 2899.96,-1180 ; 3059.96,-3250 3059.96,-2570 ; 3599.96,-1915 3599.96,-1080 ; 3959.96,-3258.82 3959.96,-2578.82 ; 5250,-3260 5250,-2580 ; 5250,-1855 5250,-1020 ; 114171.65,-2005 114171.65,-1170

## Dimensions
2699.96,-1600 to 2899.96,-1180 on Mechanical 2
5,-960 to 100,-2860 on Mechanical 2
0,-3310 to 5250,-3260 on Mechanical 2
3959.96,-3258.82 to 5250,-3260 on Mechanical 2
3059.96,-3250 to 3959.96,-3258.82 on Mechanical 2
2899.96,-3230 to 3059.96,-3250 on Mechanical 2
1299.96,-3410 to 2899.96,-2470 on Mechanical 2
0,-2640 to 1299.96,-2590 on Mechanical 2
0,0 to 5250,-1855 on Mechanical 2
3599.96,-1915 to 5250,-1020 on Mechanical 2
1299.96,-2025 to 2699.96,-1170 on Mechanical 2
0,0 to 1299.96,-2025 on Mechanical 2
0,-3530 to 5250,-3530 on Mechanical 1

## Text inside footprints (layer, text, board x,y; h text height)
U2: Top 3D Body "*" at 4116.79,-1971.57 h50 r90; Mechanical 7 "1.968504E-02in/.5mm" at 4162.91,-2114.57 h25 r90; Mechanical 7 "Alt 2 Padstyle: OX90Y60D30P" at 5189.41,-2142.07 h50 r90; Mechanical 7 "Alt 1 Padstyle: OX60Y90D30P" at 5114.41,-2142.07 h50 r90; Mechanical 7 "Default Padstyle: RX66Y11D0T" at 4964.41,-2154.57 h50 r90; Mechanical 7 "Pin One Padstyle: RX66Y11D0T" at 5039.41,-2154.57 h50 r90